# Altium PCB PCB1.PcbDoc (part 6 of 14) (continued)
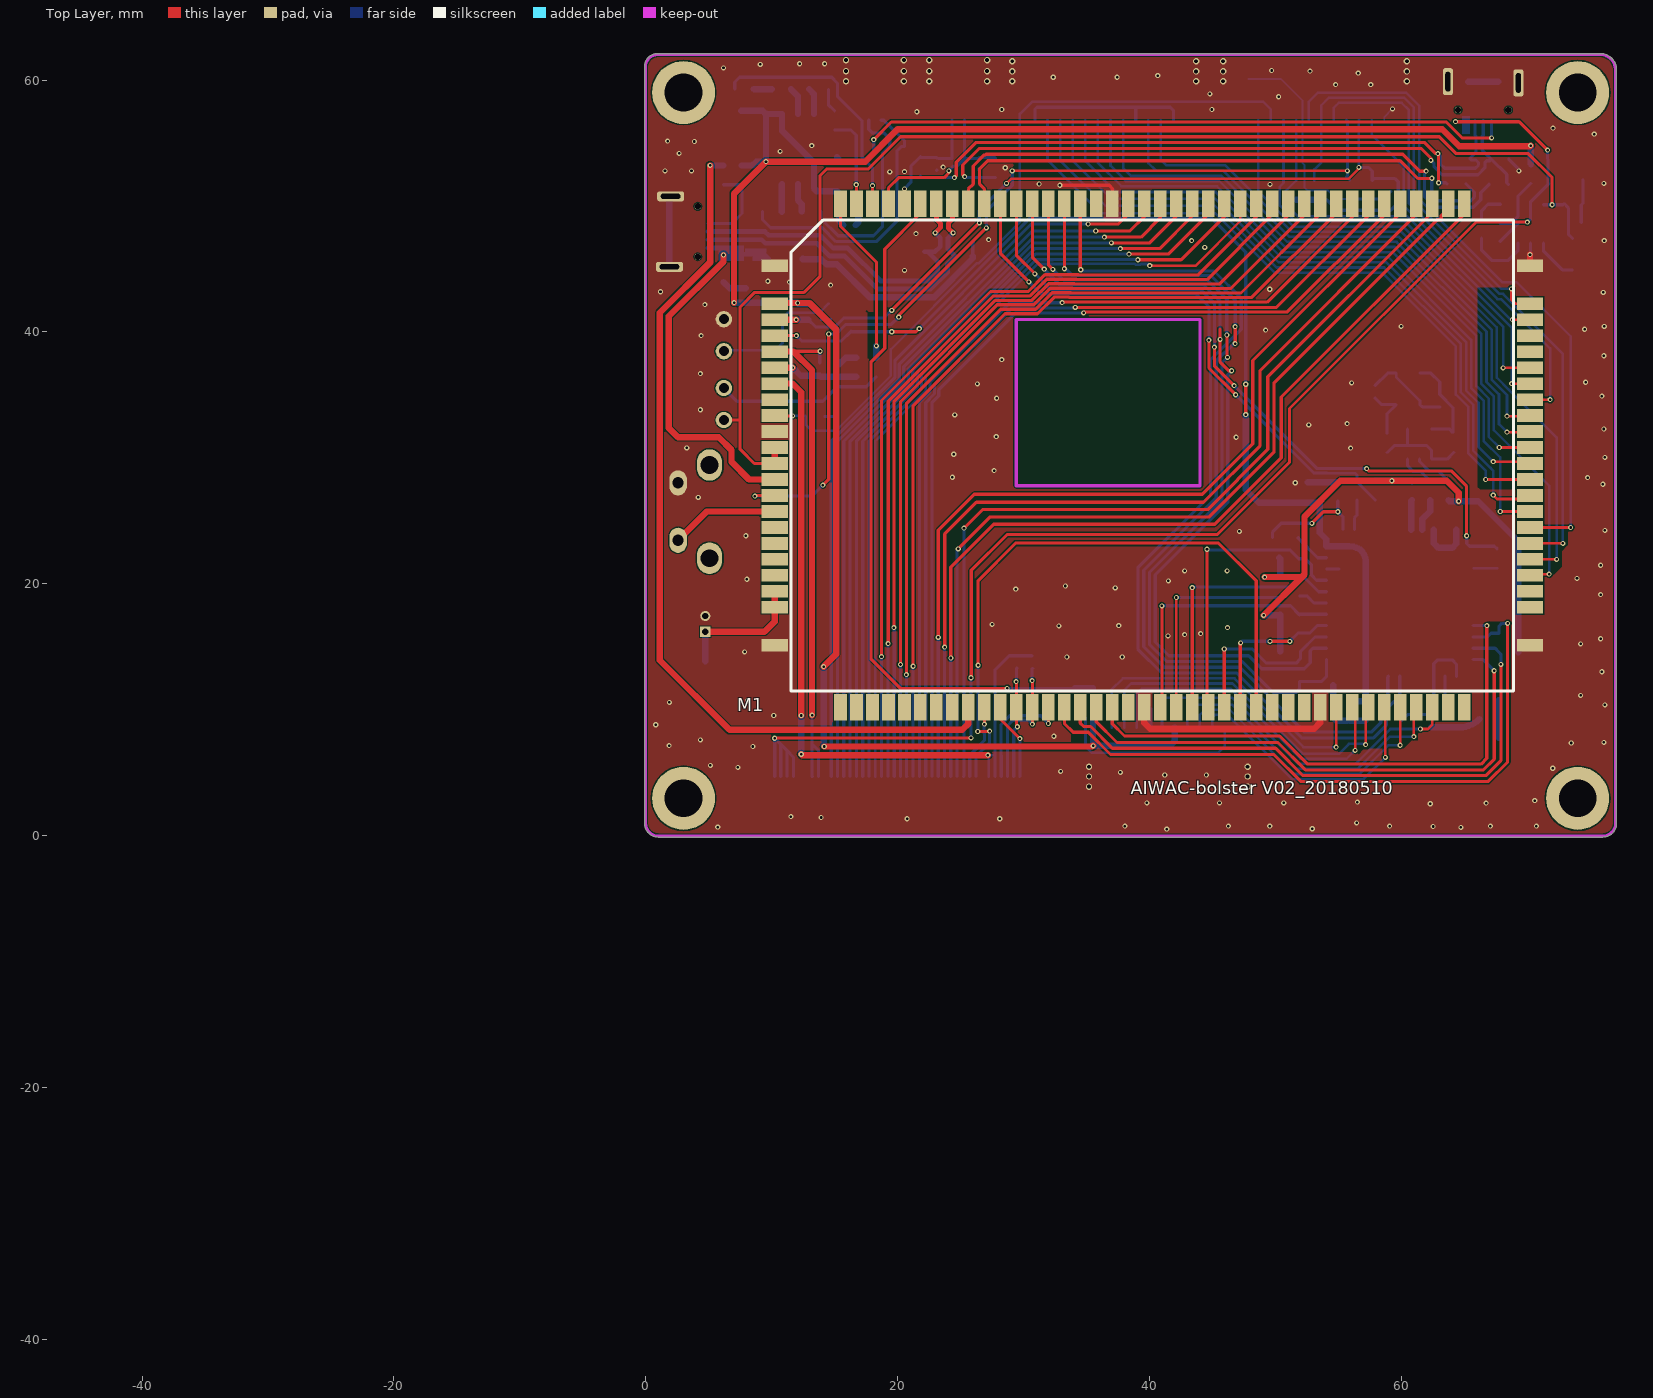
[diagram p0: Top Layer view]
## Free pads (board coordinates) (continued)
1(-45.279,-40.494) 1(-45.279,-40.494) 1(-45.279,-40.494) 1(-45.279,-40.494) 1(-45.279,-40.494) 1(-45.279,-40.494) 1(-45.279,-40.513) 1(-45.279,-40.513) 1(-45.279,-40.513) 1(-45.279,-40.513) 1(-45.279,-40.513) 1(-45.279,-40.513) 1(-45.279,-40.465) 1(-45.279,-40.465) 1(-45.279,-40.465) 1(-45.279,-40.465) 1(-45.279,-40.465) 1(-45.279,-40.465) 1(-45.279,-40.464) 1(-45.279,-40.464) 1(-45.279,-40.464) 1(-45.279,-40.483) 1(-45.279,-40.483) 1(-45.279,-40.483) 1(-45.279,-40.483) 1(-45.279,-40.483) 1(-45.279,-40.483) 1(-45.279,-40.481) 1(-45.279,-40.481) 1(-45.279,-40.481) 1(-45.279,-40.507) 1(-45.279,-40.507) 1(-45.279,-40.507) 1(-45.279,-40.507) 1(-45.279,-40.507) 1(-45.279,-40.507) 1(-45.279,-40.505) 1(-45.279,-40.505) 1(-45.279,-40.505) 1(-45.279,-40.505) 1(-45.279,-40.505) 1(-45.279,-40.505) 1(-45.279,-40.505) 1(-45.279,-40.505) 1(-45.279,-40.505) 1(-45.279,-40.505) 1(-45.279,-40.505) 1(-45.279,-40.505) 1(-45.279,-40.501) 1(-45.279,-40.501) 1(-45.279,-40.501) 1(-45.279,-40.501) 1(-45.279,-40.501) 1(-45.279,-40.501) 1(-45.279,-40.497) 1(-45.279,-40.497) 1(-45.279,-40.497) 1(-45.279,-40.496) 1(-45.279,-40.496) 1(-45.279,-40.496) 1(-45.279,-40.496) 1(-45.279,-40.496) 1(-45.279,-40.496) 1(-45.279,-40.496) 1(-45.279,-40.496) 1(-45.279,-40.496) 1(-45.279,-40.496) 1(-45.279,-40.496) 1(-45.279,-40.496) 1(-45.279,-40.482) 1(-45.279,-40.482) 1(-45.279,-40.482) 1(-45.279,-40.482) 1(-45.279,-40.482) 1(-45.279,-40.482) 1(-45.279,-40.482) 1(-45.279,-40.482) 1(-45.279,-40.482) 1(-45.279,-40.482) 1(-45.279,-40.482) 1(-45.279,-40.482) 1(-45.279,-40.499) 1(-45.279,-40.499) 1(-45.279,-40.499) 1(-45.279,-40.479) 1(-45.279,-40.479) 1(-45.279,-40.479) 1(-45.279,-40.463) 1(-45.279,-40.463) 1(-45.279,-40.463) 1(-45.279,-40.463) 1(-45.279,-40.463) 1(-45.279,-40.463) 1(-45.279,-40.495) 1(-45.279,-40.495) 1(-45.279,-40.495) 1(-45.279,-40.495) 1(-45.279,-40.495) 1(-45.279,-40.495) 1(-45.279,-40.467) 1(-45.279,-40.467) 1(-45.279,-40.467) 1(-45.279,-40.466) 1(-45.279,-40.466) 1(-45.279,-40.466) 1(-45.279,-40.515) 1(-45.279,-40.515) 1(-45.279,-40.515) 1(-45.279,-40.514) 1(-45.279,-40.514) 1(-45.279,-40.514) 1(-45.279,-40.514) 1(-45.279,-40.514) 1(-45.279,-40.514) 1(-45.279,-40.51) 1(-45.279,-40.51) 1(-45.279,-40.51) 1(-45.279,-40.51) 1(-45.279,-40.51) 1(-45.279,-40.51) 1(-45.279,-40.483) 1(-45.279,-40.483) 1(-45.279,-40.483) 1(-45.279,-40.483) 1(-45.279,-40.483) 1(-45.279,-40.483) 1(-45.279,-40.462) 1(-45.279,-40.462) 1(-45.279,-40.462) 1(-45.279,-40.491) 1(-45.279,-40.491) 1(-45.279,-40.491) 1(-45.279,-40.491) 1(-45.279,-40.491) 1(-45.279,-40.491) 1(-45.279,-40.476) 1(-45.279,-40.476) 1(-45.279,-40.476) 1(-45.279,-40.476) 1(-45.279,-40.476) 1(-45.279,-40.476) 1(-45.279,-40.49) 1(-45.279,-40.49) 1(-45.279,-40.49) 1(-45.279,-40.49) 1(-45.279,-40.49) 1(-45.279,-40.49) 1(-45.279,-40.49) 1(-45.279,-40.49) 1(-45.279,-40.49) 1(-45.279,-40.49) 1(-45.279,-40.49) 1(-45.279,-40.49) 1(-45.279,-40.489) 1(-45.279,-40.489) 1(-45.279,-40.489) 1(-45.279,-40.483) 1(-45.279,-40.483) 1(-45.279,-40.483) 1(-45.279,-40.483) 1(-45.279,-40.483) 1(-45.279,-40.483) 1(-45.279,-40.482) 1(-45.279,-40.482) 1(-45.279,-40.482) 1(-45.278,-40.468) 1(-45.278,-40.468) 1(-45.278,-40.468) 1(-45.278,-40.488) 1(-45.278,-40.488) 1(-45.278,-40.488) 1(-45.278,-40.488) 1(-45.278,-40.488) 1(-45.278,-40.488) 1(-45.278,-40.485) 1(-45.278,-40.485) 1(-45.278,-40.485) 1(-45.278,-40.465) 1(-45.278,-40.465) 1(-45.278,-40.465) 1(-45.278,-40.465) 1(-45.278,-40.465) 1(-45.278,-40.465) 1(-45.278,-40.463) 1(-45.278,-40.463) 1(-45.278,-40.463) 1(-45.278,-40.463) 1(-45.278,-40.463) 1(-45.278,-40.463) 1(-45.278,-40.506) 1(-45.278,-40.506) 1(-45.278,-40.506) 1(-45.278,-40.506) 1(-45.278,-40.506) 1(-45.278,-40.506) 1(-45.278,-40.503) 1(-45.278,-40.503) 1(-45.278,-40.503) 1(-45.278,-40.503) 1(-45.278,-40.503) 1(-45.278,-40.503) 1(-45.278,-40.499) 1(-45.278,-40.499) 1(-45.278,-40.499) 1(-45.278,-40.499) 1(-45.278,-40.499) 1(-45.278,-40.499) 1(-45.278,-40.497) 1(-45.278,-40.497) 1(-45.278,-40.497) 1(-45.278,-40.476) 1(-45.278,-40.476) 1(-45.278,-40.476) 1(-45.278,-40.476) 1(-45.278,-40.476) 1(-45.278,-40.476) 1(-45.278,-40.509) 1(-45.278,-40.509) 1(-45.278,-40.509) 1(-45.278,-40.509) 1(-45.278,-40.509) 1(-45.278,-40.509) 1(-45.278,-40.496) 1(-45.278,-40.496) 1(-45.278,-40.496) 1(-45.278,-40.501) 1(-45.278,-40.501) 1(-45.278,-40.501) 1(-45.278,-40.501) 1(-45.278,-40.501) 1(-45.278,-40.501) 1(-45.278,-40.484) 1(-45.278,-40.484) 1(-45.278,-40.484) 1(-45.278,-40.484) 1(-45.278,-40.484) 1(-45.278,-40.484) 1(-45.278,-40.51) 1(-45.278,-40.51) 1(-45.278,-40.51) 1(-45.278,-40.495) 1(-45.278,-40.495) 1(-45.278,-40.495) 1(-45.278,-40.494) 1(-45.278,-40.494) 1(-45.278,-40.494) 1(-45.278,-40.493) 1(-45.278,-40.493) 1(-45.278,-40.493) 1(-45.278,-40.493) 1(-45.278,-40.493) 1(-45.278,-40.493) 1(-45.278,-40.492) 1(-45.278,-40.492) 1(-45.278,-40.492) 1(-45.278,-40.492) 1(-45.278,-40.492) 1(-45.278,-40.492) 1(-45.278,-40.491) 1(-45.278,-40.491) 1(-45.278,-40.491) 1(-45.278,-40.491) 1(-45.278,-40.491) 1(-45.278,-40.491) 1(-45.278,-40.489) 1(-45.278,-40.489) 1(-45.278,-40.489) 1(-45.278,-40.489) 1(-45.278,-40.489) 1(-45.278,-40.489) 1(-45.278,-40.502) 1(-45.278,-40.502) 1(-45.278,-40.502) 1(-45.278,-40.502) 1(-45.278,-40.502) 1(-45.278,-40.502) 1(-45.278,-40.482) 1(-45.278,-40.482) 1(-45.278,-40.482) 1(-45.278,-40.482) 1(-45.278,-40.482) 1(-45.278,-40.482) 1(-45.278,-40.5) 1(-45.278,-40.5) 1(-45.278,-40.5) 1(-45.278,-40.5) 1(-45.278,-40.5) 1(-45.278,-40.5) 1(-45.278,-40.502) 1(-45.278,-40.502) 1(-45.278,-40.502) 1(-45.278,-40.502) 1(-45.278,-40.502) 1(-45.278,-40.502) 1(-45.278,-40.5) 1(-45.278,-40.5) 1(-45.278,-40.5) 1(-45.278,-40.5) 1(-45.278,-40.5) 1(-45.278,-40.5) 1(-45.278,-40.505) 1(-45.278,-40.505) 1(-45.278,-40.505) 1(-45.278,-40.505) 1(-45.278,-40.505) 1(-45.278,-40.505) 1(-45.278,-40.503) 1(-45.278,-40.503) 1(-45.278,-40.503) 1(-45.278,-40.503) 1(-45.278,-40.503) 1(-45.278,-40.503) 1(-45.278,-40.497) 1(-45.278,-40.497) 1(-45.278,-40.497) 1(-45.278,-40.496) 1(-45.278,-40.496) 1(-45.278,-40.496) 1(-45.278,-40.496) 1(-45.278,-40.496) 1(-45.278,-40.496) 1(-45.278,-40.483) 1(-45.278,-40.483) 1(-45.278,-40.483) 1(-45.278,-40.483) 1(-45.278,-40.483) 1(-45.278,-40.483) 1(-45.278,-40.505) 1(-45.278,-40.505) 1(-45.278,-40.505) 1(-45.278,-40.503) 1(-45.278,-40.503) 1(-45.278,-40.503) 1(-45.278,-40.503) 1(-45.278,-40.503) 1(-45.278,-40.503) 1(-45.278,-40.509) 1(-45.278,-40.509) 1(-45.278,-40.509) 1(-45.278,-40.509) 1(-45.278,-40.509) 1(-45.278,-40.509) 1(-45.278,-40.509) 1(-45.278,-40.509) 1(-45.278,-40.509) 1(-45.278,-40.509) 1(-45.278,-40.509) 1(-45.278,-40.509) 1(-45.278,-40.509) 1(-45.278,-40.509) 1(-45.278,-40.509) 1(-45.278,-40.508) 1(-45.278,-40.508) 1(-45.278,-40.508) 1(-45.278,-40.507) 1(-45.278,-40.507) 1(-45.278,-40.507) 1(-45.278,-40.507) 1(-45.278,-40.507) 1(-45.278,-40.507) 1(-45.278,-40.499) 1(-45.278,-40.499) 1(-45.278,-40.499) 1(-45.278,-40.499) 1(-45.278,-40.499) 1(-45.278,-40.499) 1(-45.278,-40.499) 1(-45.278,-40.499) 1(-45.278,-40.499) 1(-45.278,-40.48) 1(-45.278,-40.48) 1(-45.278,-40.48) 1(-45.278,-40.516) 1(-45.278,-40.516) 1(-45.278,-40.516) 1(-45.278,-40.505) 1(-45.278,-40.505) 1(-45.278,-40.505) 1(-45.278,-40.505) 1(-45.278,-40.505) 1(-45.278,-40.505) 1(-45.278,-40.485) 1(-45.278,-40.485) 1(-45.278,-40.485) 1(-45.277,-40.488) 1(-45.277,-40.488) 1(-45.277,-40.488) 1(-45.277,-40.488) 1(-45.277,-40.488) 1(-45.277,-40.488) 1(-45.277,-40.467) 1(-45.277,-40.467) 1(-45.277,-40.467) 1(-45.277,-40.467) 1(-45.277,-40.467) 1(-45.277,-40.467) 1(-45.277,-40.513) 1(-45.277,-40.513) 1(-45.277,-40.513) 1(-45.277,-40.513) 1(-45.277,-40.513) 1(-45.277,-40.513) 1(-45.277,-40.483) 1(-45.277,-40.483) 1(-45.277,-40.483) 1(-45.277,-40.483) 1(-45.277,-40.483) 1(-45.277,-40.483) 1(-45.277,-40.483) 1(-45.277,-40.483) 1(-45.277,-40.483) 1(-45.277,-40.483) 1(-45.277,-40.483) 1(-45.277,-40.483) 1(-45.277,-40.492) 1(-45.277,-40.492) 1(-45.277,-40.492) 1(-45.277,-40.506) 1(-45.277,-40.506) 1(-45.277,-40.506) 1(-45.277,-40.489) 1(-45.277,-40.489) 1(-45.277,-40.489) 1(-45.277,-40.504) 1(-45.277,-40.504) 1(-45.277,-40.504) 1(-45.277,-40.504) 1(-45.277,-40.504) 1(-45.277,-40.504) 1(-45.277,-40.496) 1(-45.277,-40.496) 1(-45.277,-40.496) 1(-45.277,-40.496) 1(-45.277,-40.496) 1(-45.277,-40.496) 1(-45.277,-40.496) 1(-45.277,-40.496) 1(-45.277,-40.496) 1(-45.277,-40.496) 1(-45.277,-40.496) 1(-45.277,-40.496) 1(-45.277,-40.496) 1(-45.277,-40.496) 1(-45.277,-40.496) 1(-45.277,-40.496) 1(-45.277,-40.496) 1(-45.277,-40.496) 1(-45.277,-40.494) 1(-45.277,-40.494) 1(-45.277,-40.494) 1(-45.277,-40.494) 1(-45.277,-40.494) 1(-45.277,-40.494) 1(-45.277,-40.472) 1(-45.277,-40.472) 1(-45.277,-40.472) 1(-45.277,-40.472) 1(-45.277,-40.472) 1(-45.277,-40.472) 1(-45.277,-40.469) 1(-45.277,-40.469) 1(-45.277,-40.469) 1(-45.277,-40.469) 1(-45.277,-40.469) 1(-45.277,-40.469) 1(-45.277,-40.468) 1(-45.277,-40.468) 1(-45.277,-40.468) 1(-45.277,-40.468) 1(-45.277,-40.468) 1(-45.277,-40.468) 1(-45.277,-40.472) 1(-45.277,-40.472) 1(-45.277,-40.472) 1(-45.277,-40.472) 1(-45.277,-40.472) 1(-45.277,-40.472) 1(-45.277,-40.469) 1(-45.277,-40.469) 1(-45.277,-40.469) 1(-45.277,-40.469) 1(-45.277,-40.469) 1(-45.277,-40.469) 1(-45.277,-40.492) 1(-45.277,-40.492) 1(-45.277,-40.492) 1(-45.277,-40.492) 1(-45.277,-40.492) 1(-45.277,-40.492) 1(-45.277,-40.493) 1(-45.277,-40.493) 1(-45.277,-40.493) 1(-45.277,-40.493) 1(-45.277,-40.493) 1(-45.277,-40.493) 1(-45.277,-40.515) 1(-45.277,-40.515) 1(-45.277,-40.515) 1(-45.277,-40.513) 1(-45.277,-40.513) 1(-45.277,-40.513) 1(-45.277,-40.513) 1(-45.277,-40.513) 1(-45.277,-40.513) 1(-45.277,-40.493) 1(-45.277,-40.493) 1(-45.277,-40.493) 1(-45.277,-40.493) 1(-45.277,-40.493) 1(-45.277,-40.493) 1(-45.277,-40.495) 1(-45.277,-40.495) 1(-45.277,-40.495) 1(-45.277,-40.502) 1(-45.277,-40.502) 1(-45.277,-40.502) 1(-45.277,-40.502) 1(-45.277,-40.502) 1(-45.277,-40.502) 1(-45.276,-40.469) 1(-45.276,-40.469) 1(-45.276,-40.469) 1(-45.276,-40.469) 1(-45.276,-40.469) 1(-45.276,-40.469) 1(-45.276,-40.466) 1(-45.276,-40.466) 1(-45.276,-40.466) 1(-45.276,-40.466) 1(-45.276,-40.466) 1(-45.276,-40.466) 1(-45.276,-40.469) 1(-45.276,-40.469) 1(-45.276,-40.469) 1(-45.276,-40.469) 1(-45.276,-40.469) 1(-45.276,-40.469) 1(-45.276,-40.469) 1(-45.276,-40.469) 1(-45.276,-40.469) 1(-45.276,-40.469) 1(-45.276,-40.469) 1(-45.276,-40.469) 1(-45.276,-40.499) 1(-45.276,-40.499) 1(-45.276,-40.499) 1(-45.276,-40.504) 1(-45.276,-40.504) 1(-45.276,-40.504) 1(-45.276,-40.504) 1(-45.276,-40.504) 1(-45.276,-40.504) 1(-45.276,-40.504) 1(-45.276,-40.504) 1(-45.276,-40.504) 1(-45.276,-40.504) 1(-45.276,-40.504) 1(-45.276,-40.504) 1(-45.276,-40.504) 1(-45.276,-40.504) 1(-45.276,-40.504) 1(-45.276,-40.504) 1(-45.276,-40.504) 1(-45.276,-40.504) 1(-45.276,-40.503) 1(-45.276,-40.503) 1(-45.276,-40.503) 1(-45.276,-40.501) 1(-45.276,-40.501) 1(-45.276,-40.501) 1(-45.276,-40.501) 1(-45.276,-40.501) 1(-45.276,-40.501) 1(-45.276,-40.499) 1(-45.276,-40.499) 1(-45.276,-40.499) 1(-45.276,-40.498) 1(-45.276,-40.498) 1(-45.276,-40.498) 1(-45.276,-40.498) 1(-45.276,-40.498) 1(-45.276,-40.498) 1(-45.276,-40.496) 1(-45.276,-40.496) 1(-45.276,-40.496) 1(-45.276,-40.496) 1(-45.276,-40.496) 1(-45.276,-40.496) 1(-45.276,-40.495) 1(-45.276,-40.495) 1(-45.276,-40.495) 1(-45.276,-40.495) 1(-45.276,-40.495) 1(-45.276,-40.495) 1(-45.276,-40.494) 1(-45.276,-40.494) 1(-45.276,-40.494) 1(-45.276,-40.494) 1(-45.276,-40.494) 1(-45.276,-40.494) 1(-45.276,-40.494) 1(-45.276,-40.494) 1(-45.276,-40.494) 1(-45.276,-40.494) 1(-45.276,-40.494) 1(-45.276,-40.494) 1(-45.276,-40.494) 1(-45.276,-40.494) 1(-45.276,-40.494) 1(-45.276,-40.493) 1(-45.276,-40.493) 1(-45.276,-40.493) 1(-45.276,-40.493) 1(-45.276,-40.493) 1(-45.276,-40.493) 1(-45.276,-40.498) 1(-45.276,-40.498) 1(-45.276,-40.498) 1(-45.276,-40.498) 1(-45.276,-40.498) 1(-45.276,-40.498) 1(-45.276,-40.508) 1(-45.276,-40.508) 1(-45.276,-40.508) 1(-45.276,-40.507) 1(-45.276,-40.507) 1(-45.276,-40.507) 1(-45.276,-40.488) 1(-45.276,-40.488) 1(-45.276,-40.488) 1(-45.276,-40.488) 1(-45.276,-40.488) 1(-45.276,-40.488) 1(-45.276,-40.475) 1(-45.276,-40.475) 1(-45.276,-40.475) 1(-45.276,-40.519) 1(-45.276,-40.519) 1(-45.276,-40.519) 1(-45.276,-40.492) 1(-45.276,-40.492) 1(-45.276,-40.492) 1(-45.276,-40.492) 1(-45.276,-40.492) 1(-45.276,-40.492) 1(-45.276,-40.489) 1(-45.276,-40.489) 1(-45.276,-40.489) 1(-45.276,-40.489) 1(-45.276,-40.489) 1(-45.276,-40.489) 1(-45.276,-40.489) 1(-45.276,-40.489) 1(-45.276,-40.489) 1(-45.276,-40.489) 1(-45.276,-40.489) 1(-45.276,-40.489) 1(-45.276,-40.481) 1(-45.276,-40.481) 1(-45.276,-40.481) 1(-45.276,-40.467) 1(-45.276,-40.467) 1(-45.276,-40.467) 1(-45.276,-40.467) 1(-45.276,-40.467) 1(-45.276,-40.467) 1(-45.276,-40.466) 1(-45.276,-40.466) 1(-45.276,-40.466) 1(-45.276,-40.508) 1(-45.276,-40.508) 1(-45.276,-40.508) 1(-45.276,-40.508) 1(-45.276,-40.508) 1(-45.276,-40.508) 1(-45.276,-40.488) 1(-45.276,-40.488) 1(-45.276,-40.488) 1(-45.276,-40.488) 1(-45.276,-40.488) 1(-45.276,-40.488) 1(-45.276,-40.511) 1(-45.276,-40.511) 1(-45.276,-40.511) 1(-45.276,-40.5) 1(-45.276,-40.5) 1(-45.276,-40.5) 1(-45.276,-40.5) 1(-45.276,-40.5) 1(-45.276,-40.5) 1(-45.276,-40.467) 1(-45.276,-40.467) 1(-45.276,-40.467) 1(-45.276,-40.467) 1(-45.276,-40.467) 1(-45.276,-40.467) 1(-45.276,-40.472) 1(-45.276,-40.472) 1(-45.276,-40.472) 1(-45.276,-40.472) 1(-45.276,-40.472) 1(-45.276,-40.472) 1(-45.276,-40.47) 1(-45.276,-40.47) 1(-45.276,-40.47) 1(-45.276,-40.47) 1(-45.276,-40.47) 1(-45.276,-40.47) 1(-45.276,-40.516) 1(-45.276,-40.516) 1(-45.276,-40.516) 1(-45.276,-40.476) 1(-45.276,-40.476) 1(-45.276,-40.476) 1(-45.276,-40.476) 1(-45.276,-40.476) 1(-45.276,-40.476) 1(-45.276,-40.469) 1(-45.276,-40.469) 1(-45.276,-40.469) 1(-45.276,-40.469) 1(-45.276,-40.469) 1(-45.276,-40.469) 1(-45.276,-40.469) 1(-45.276,-40.469) 1(-45.276,-40.469) 1(-45.276,-40.468) 1(-45.276,-40.468) 1(-45.276,-40.468) 1(-45.276,-40.468) 1(-45.276,-40.468) 1(-45.276,-40.468) 1(-45.275,-40.508) 1(-45.275,-40.508) 1(-45.275,-40.508) 1(-45.275,-40.508) 1(-45.275,-40.508) 1(-45.275,-40.508) 1(-45.275,-40.506) 1(-45.275,-40.506) 1(-45.275,-40.506) 1(-45.275,-40.506) 1(-45.275,-40.506) 1(-45.275,-40.506) 1(-45.275,-40.488) 1(-45.275,-40.488) 1(-45.275,-40.488) 1(-45.275,-40.488) 1(-45.275,-40.488) 1(-45.275,-40.488) 1(-45.275,-40.477) 1(-45.275,-40.477) 1(-45.275,-40.477) 1(-45.275,-40.487) 1(-45.275,-40.487) 1(-45.275,-40.487) 1(-45.275,-40.484) 1(-45.275,-40.484) 1(-45.275,-40.484) 1(-45.275,-40.476) 1(-45.275,-40.476) 1(-45.275,-40.476) 1(-45.275,-40.476) 1(-45.275,-40.476) 1(-45.275,-40.476) 1(-45.275,-40.506) 1(-45.275,-40.506) 1(-45.275,-40.506) 1(-45.275,-40.506) 1(-45.275,-40.506) 1(-45.275,-40.506) 1(-45.275,-40.488) 1(-45.275,-40.488) 1(-45.275,-40.488) 1(-45.275,-40.488) 1(-45.275,-40.488) 1(-45.275,-40.488) 1(-45.275,-40.491) 1(-45.275,-40.491) 1(-45.275,-40.491) 1(-45.275,-40.49) 1(-45.275,-40.49) 1(-45.275,-40.49) 1(-45.275,-40.49) 1(-45.275,-40.49) 1(-45.275,-40.49) 1(-45.275,-40.509) 1(-45.275,-40.509) 1(-45.275,-40.509) 1(-45.275,-40.509) 1(-45.275,-40.509) 1(-45.275,-40.509) 1(-45.275,-40.504) 1(-45.275,-40.504) 1(-45.275,-40.504) 1(-45.275,-40.466) 1(-45.275,-40.466) 1(-45.275,-40.466) 1(-45.275,-40.504) 1(-45.275,-40.504) 1(-45.275,-40.504) 1(-45.275,-40.503) 1(-45.275,-40.503) 1(-45.275,-40.503) 1(-45.275,-40.501) 1(-45.275,-40.501) 1(-45.275,-40.501) 1(-45.275,-40.5) 1(-45.275,-40.5) 1(-45.275,-40.5) 1(-45.275,-40.5) 1(-45.275,-40.5) 1(-45.275,-40.5) 1(-45.275,-40.5) 1(-45.275,-40.5) 1(-45.275,-40.5) 1(-45.275,-40.5) 1(-45.275,-40.5) 1(-45.275,-40.5) 1(-45.275,-40.499) 1(-45.275,-40.499) 1(-45.275,-40.499) 1(-45.275,-40.499) 1(-45.275,-40.499) 1(-45.275,-40.499) 1(-45.275,-40.498) 1(-45.275,-40.498) 1(-45.275,-40.498) 1(-45.275,-40.498) 1(-45.275,-40.498) 1(-45.275,-40.498) 1(-45.275,-40.496) 1(-45.275,-40.496) 1(-45.275,-40.496) 1(-45.275,-40.495) 1(-45.275,-40.495) 1(-45.275,-40.495) 1(-45.275,-40.494) 1(-45.275,-40.494) 1(-45.275,-40.494) 1(-45.275,-40.498) 1(-45.275,-40.498) 1(-45.275,-40.498) 1(-45.275,-40.475) 1(-45.275,-40.475) 1(-45.275,-40.475) 1(-45.275,-40.475) 1(-45.275,-40.475) 1(-45.275,-40.475) 1(-45.275,-40.469) 1(-45.275,-40.469) 1(-45.275,-40.469) 1(-45.275,-40.469) 1(-45.275,-40.469) 1(-45.275,-40.469) 1(-45.275,-40.505) 1(-45.275,-40.505) 1(-45.275,-40.505) 1(-45.275,-40.505) 1(-45.275,-40.505) 1(-45.275,-40.505) 1(-45.275,-40.505) 1(-45.275,-40.505) 1(-45.275,-40.505) 1(-45.275,-40.509) 1(-45.275,-40.509) 1(-45.275,-40.509) 1(-45.275,-40.509) 1(-45.275,-40.509) 1(-45.275,-40.509) 1(-45.275,-40.508) 1(-45.275,-40.508) 1(-45.275,-40.508) 1(-45.275,-40.508) 1(-45.275,-40.508) 1(-45.275,-40.508) 1(-45.275,-40.507) 1(-45.275,-40.507) 1(-45.275,-40.507) 1(-45.275,-40.467) 1(-45.275,-40.467) 1(-45.275,-40.467) 1(-45.275,-40.467) 1(-45.275,-40.467) 1(-45.275,-40.467) 1(-45.275,-40.466) 1(-45.275,-40.466) 1(-45.275,-40.466) 1(-45.275,-40.466) 1(-45.275,-40.466) 1(-45.275,-40.466) 1(-45.275,-40.507) 1(-45.275,-40.507) 1(-45.275,-40.507) 1(-45.275,-40.507) 1(-45.275,-40.507) 1(-45.275,-40.507) 1(-45.275,-40.505) 1(-45.275,-40.505) 1(-45.275,-40.505) 1(-45.275,-40.505) 1(-45.275,-40.505) 1(-45.275,-40.505) 1(-45.275,-40.484) 1(-45.275,-40.484) 1(-45.275,-40.484) 1(-45.275,-40.478) 1(-45.275,-40.478) 1(-45.275,-40.478) 1(-45.274,-40.516) 1(-45.274,-40.516) 1(-45.274,-40.516) 1(-45.274,-40.511) 1(-45.274,-40.511) 1(-45.274,-40.511) 1(-45.274,-40.504) 1(-45.274,-40.504) 1(-45.274,-40.504) 1(-45.274,-40.504) 1(-45.274,-40.504) 1(-45.274,-40.504) 1(-45.274,-40.504) 1(-45.274,-40.504) 1(-45.274,-40.504) 1(-45.274,-40.504) 1(-45.274,-40.504) 1(-45.274,-40.504) 1(-45.274,-40.47) 1(-45.274,-40.47) 1(-45.274,-40.47) 1(-45.274,-40.468) 1(-45.274,-40.468) 1(-45.274,-40.468) 1(-45.274,-40.468) 1(-45.274,-40.468) 1(-45.274,-40.468) 1(-45.274,-40.468) 1(-45.274,-40.468) 1(-45.274,-40.468) 1(-45.274,-40.468) 1(-45.274,-40.468) 1(-45.274,-40.468) 1(-45.274,-40.508) 1(-45.274,-40.508) 1(-45.274,-40.508) 1(-45.274,-40.508) 1(-45.274,-40.508) 1(-45.274,-40.508) 1(-45.274,-40.487) 1(-45.274,-40.487) 1(-45.274,-40.487) 1(-45.274,-40.487) 1(-45.274,-40.487) 1(-45.274,-40.487) 1(-45.274,-40.486) 1(-45.274,-40.486) 1(-45.274,-40.486) 1(-45.274,-40.486) 1(-45.274,-40.486) 1(-45.274,-40.486) 1(-45.274,-40.496) 1(-45.274,-40.496) 1(-45.274,-40.496) 1(-45.274,-40.496) 1(-45.274,-40.496) 1(-45.274,-40.496) 1(-45.274,-40.489) 1(-45.274,-40.489) 1(-45.274,-40.489) 1(-45.274,-40.489) 1(-45.274,-40.489) 1(-45.274,-40.489) 1(-45.274,-40.485) 1(-45.274,-40.485) 1(-45.274,-40.485) 1(-45.274,-40.51) 1(-45.274,-40.51) 1(-45.274,-40.51) 1(-45.274,-40.466) 1(-45.274,-40.466) 1(-45.274,-40.466) 1(-45.274,-40.502) 1(-45.274,-40.502) 1(-45.274,-40.502) 1(-45.274,-40.502) 1(-45.274,-40.502) 1(-45.274,-40.502) 1(-45.274,-40.489) 1(-45.274,-40.489) 1(-45.274,-40.489) 1(-45.274,-40.489) 1(-45.274,-40.489) 1(-45.274,-40.489) 1(-45.274,-40.488) 1(-45.274,-40.488) 1(-45.274,-40.488) 1(-45.274,-40.496) 1(-45.274,-40.496) 1(-45.274,-40.496) 1(-45.274,-40.508) 1(-45.274,-40.508) 1(-45.274,-40.508) 1(-45.274,-40.508) 1(-45.274,-40.508) 1(-45.274,-40.508) 1(-45.274,-40.487) 1(-45.274,-40.487) 1(-45.274,-40.487) 1(-45.274,-40.487) 1(-45.274,-40.487) 1(-45.274,-40.487) 1(-45.274,-40.486) 1(-45.274,-40.486) 1(-45.274,-40.486) 1(-45.274,-40.486) 1(-45.274,-40.486) 1(-45.274,-40.486) 1(-45.274,-40.505) 1(-45.274,-40.505) 1(-45.274,-40.505) 1(-45.274,-40.505) 1(-45.274,-40.505) 1(-45.274,-40.505) 1(-45.274,-40.474) 1(-45.274,-40.474) 1(-45.274,-40.474) 1(-45.274,-40.474) 1(-45.274,-40.474) 1(-45.274,-40.474) 1(-45.274,-40.469) 1(-45.274,-40.469) 1(-45.274,-40.469) 1(-45.274,-40.469) 1(-45.274,-40.469) 1(-45.274,-40.469) 1(-45.274,-40.507) 1(-45.274,-40.507) 1(-45.274,-40.507) 1(-45.274,-40.505) 1(-45.274,-40.505) 1(-45.274,-40.505) 1(-45.274,-40.505) 1(-45.274,-40.505) 1(-45.274,-40.505) 1(-45.274,-40.504) 1(-45.274,-40.504) 1(-45.274,-40.504) 1(-45.274,-40.503) 1(-45.274,-40.503) 1(-45.274,-40.503) 1(-45.274,-40.492) 1(-45.274,-40.492) 1(-45.274,-40.492) 1(-45.274,-40.492) 1(-45.274,-40.492) 1(-45.274,-40.492) 1(-45.273,-40.505) 1(-45.273,-40.505) 1(-45.273,-40.505) 1(-45.273,-40.488) 1(-45.273,-40.488) 1(-45.273,-40.488) 1(-45.273,-40.488) 1(-45.273,-40.488) 1(-45.273,-40.488) 1(-45.273,-40.487) 1(-45.273,-40.487) 1(-45.273,-40.487) 1(-45.273,-40.487) 1(-45.273,-40.487) 1(-45.273,-40.487) 1(-45.273,-40.469) 1(-45.273,-40.469) 1(-45.273,-40.469) 1(-45.273,-40.469) 1(-45.273,-40.469) 1(-45.273,-40.469) 1(-45.273,-40.509) 1(-45.273,-40.509) 1(-45.273,-40.509) 1(-45.273,-40.485) 1(-45.273,-40.485) 1(-45.273,-40.485) 1(-45.273,-40.47) 1(-45.273,-40.47) 1(-45.273,-40.47) 1(-45.273,-40.472) 1(-45.273,-40.472) 1(-45.273,-40.472) 1(-45.273,-40.472) 1(-45.273,-40.472) 1(-45.273,-40.472) 1(-45.273,-40.469) 1(-45.273,-40.469) 1(-45.273,-40.469) 1(-45.273,-40.469) 1(-45.273,-40.469) 1(-45.273,-40.469) 1(-45.273,-40.468) 1(-45.273,-40.468) 1(-45.273,-40.468) 1(-45.273,-40.468) 1(-45.273,-40.468) 1(-45.273,-40.468) 1(-45.273,-40.485) 1(-45.273,-40.485) 1(-45.273,-40.485) 1(-45.273,-40.485) 1(-45.273,-40.485) 1(-45.273,-40.485) 1(-45.273,-40.479) 1(-45.273,-40.479) 1(-45.273,-40.479) 1(-45.273,-40.485) 1(-45.273,-40.485) 1(-45.273,-40.485) 1(-45.273,-40.485) 1(-45.273,-40.485) 1(-45.273,-40.485) 1(-45.273,-40.476) 1(-45.273,-40.476) 1(-45.273,-40.476) 1(-45.273,-40.475) 1(-45.273,-40.475) 1(-45.273,-40.475) 1(-45.273,-40.502) 1(-45.273,-40.502) 1(-45.273,-40.502) 1(-45.273,-40.502) 1(-45.273,-40.502) 1(-45.273,-40.502) 1(-45.273,-40.495) 1(-45.273,-40.495) 1(-45.273,-40.495) 1(-45.273,-40.495) 1(-45.273,-40.495) 1(-45.273,-40.495) 1(-45.273,-40.511) 1(-45.273,-40.511) 1(-45.273,-40.511) 1(-45.273,-40.493) 1(-45.273,-40.493) 1(-45.273,-40.493) 1(-45.273,-40.466) 1(-45.273,-40.466) 1(-45.273,-40.466) 1(-45.273,-40.508) 1(-45.273,-40.508) 1(-45.273,-40.508) 1(-45.273,-40.491) 1(-45.273,-40.491) 1(-45.273,-40.491) 1(-45.273,-40.491) 1(-45.273,-40.491) 1(-45.273,-40.491) 1(-45.273,-40.487) 1(-45.273,-40.487) 1(-45.273,-40.487) 1(-45.273,-40.487) 1(-45.273,-40.487) 1(-45.273,-40.487) 1(-45.273,-40.494) 1(-45.273,-40.494) 1(-45.273,-40.494) 1(-45.273,-40.506) 1(-45.273,-40.506) 1(-45.273,-40.506) 1(-45.273,-40.506) 1(-45.273,-40.506) 1(-45.273,-40.506) 1(-45.273,-40.502) 1(-45.273,-40.502) 1(-45.273,-40.502) 1(-45.273,-40.502) 1(-45.273,-40.502) 1(-45.273,-40.502) 1(-45.273,-40.481) 1(-45.273,-40.481) 1(-45.273,-40.481) 1(-45.273,-40.471) 1(-45.273,-40.471) 1(-45.273,-40.471) 1(-45.273,-40.471) 1(-45.273,-40.471) 1(-45.273,-40.471) 1(-45.273,-40.47) 1(-45.273,-40.47) 1(-45.273,-40.47) 1(-45.273,-40.47) 1(-45.273,-40.47) 1(-45.273,-40.47) 1(-45.272,-40.484) 1(-45.272,-40.484) 1(-45.272,-40.484) 1(-45.272,-40.499) 1(-45.272,-40.499) 1(-45.272,-40.499) 1(-45.272,-40.498) 1(-45.272,-40.498) 1(-45.272,-40.498) 1(-45.272,-40.498) 1(-45.272,-40.498) 1(-45.272,-40.498) 1(-45.272,-40.495) 1(-45.272,-40.495) 1(-45.272,-40.495) 1(-45.272,-40.495) 1(-45.272,-40.495) 1(-45.272,-40.495) 1(-45.272,-40.501) 1(-45.272,-40.501) 1(-45.272,-40.501) 1(-45.272,-40.511) 1(-45.272,-40.511) 1(-45.272,-40.511) 1(-45.272,-40.511) 1(-45.272,-40.511) 1(-45.272,-40.511) 1(-45.272,-40.505) 1(-45.272,-40.505) 1(-45.272,-40.505) 1(-45.272,-40.505) 1(-45.272,-40.505) 1(-45.272,-40.505) 1(-45.272,-40.493) 1(-45.272,-40.493) 1(-45.272,-40.493) 1(-45.272,-40.483) 1(-45.272,-40.483) 1(-45.272,-40.483) 1(-45.272,-40.483) 1(-45.272,-40.483) 1(-45.272,-40.483) 1(-45.272,-40.469) 1(-45.272,-40.469) 1(-45.272,-40.469) 1(-45.272,-40.469) 1(-45.272,-40.469) 1(-45.272,-40.469) 1(-45.272,-40.469) 1(-45.272,-40.469) 1(-45.272,-40.469) 1(-45.272,-40.5) 1(-45.272,-40.5) 1(-45.272,-40.5) 1(-45.272,-40.5) 1(-45.272,-40.5) 1(-45.272,-40.5) 1(-45.272,-40.497) 1(-45.272,-40.497) 1(-45.272,-40.497) 1(-45.272,-40.497) 1(-45.272,-40.497) 1(-45.272,-40.497) 1(-45.272,-40.466) 1(-45.272,-40.466) 1(-45.272,-40.466) 1(-45.272,-40.497) 1(-45.272,-40.497) 1(-45.272,-40.497) 1(-45.272,-40.497) 1(-45.272,-40.497) 1(-45.272,-40.497) 1(-45.272,-40.49) 1(-45.272,-40.49) 1(-45.272,-40.49) 1(-45.272,-40.49) 1(-45.272,-40.49) 1(-45.272,-40.49) 1(-45.272,-40.471) 1(-45.272,-40.471) 1(-45.272,-40.471) 1(-45.272,-40.471) 1(-45.272,-40.471) 1(-45.272,-40.471) 1(-45.272,-40.471) 1(-45.272,-40.471) 1(-45.272,-40.471) 1(-45.272,-40.469) 1(-45.272,-40.469) 1(-45.272,-40.469) 1(-45.272,-40.49) 1(-45.272,-40.49) 1(-45.272,-40.49) 1(-45.272,-40.49) 1(-45.272,-40.49) 1(-45.272,-40.49) 1(-45.272,-40.489) 1(-45.272,-40.489) 1(-45.272,-40.489) 1(-45.272,-40.499) 1(-45.272,-40.499) 1(-45.272,-40.499) 1(-45.272,-40.499) 1(-45.272,-40.499) 1(-45.272,-40.499) 1(-45.272,-40.5) 1(-45.272,-40.5) 1(-45.272,-40.5) 1(-45.272,-40.5) 1(-45.272,-40.5) 1(-45.272,-40.5) 1(-45.272,-40.505) 1(-45.272,-40.505) 1(-45.272,-40.505) 1(-45.272,-40.505) 1(-45.272,-40.505) 1(-45.272,-40.505) 1(-45.272,-40.488) 1(-45.272,-40.488) 1(-45.272,-40.488) 1(-45.272,-40.495) 1(-45.272,-40.495) 1(-45.272,-40.495) 1(-45.272,-40.487) 1(-45.272,-40.487) 1(-45.272,-40.487) 1(-45.272,-40.508) 1(-45.272,-40.508) 1(-45.272,-40.508) 1(-45.272,-40.508) 1(-45.272,-40.508) 1(-45.272,-40.508) 1(-45.271,-40.482) 1(-45.271,-40.482) 1(-45.271,-40.482) 1(-45.271,-40.482) 1(-45.271,-40.482) 1(-45.271,-40.482) 1(-45.271,-40.503) 1(-45.271,-40.503) 1(-45.271,-40.503) 1(-45.271,-40.483) 1(-45.271,-40.483) 1(-45.271,-40.483) 1(-45.271,-40.483) 1(-45.271,-40.483) 1(-45.271,-40.483) 1(-45.271,-40.508) 1(-45.271,-40.508) 1(-45.271,-40.508) 1(-45.271,-40.508) 1(-45.271,-40.508) 1(-45.271,-40.508) 1(-45.271,-40.507) 1(-45.271,-40.507) 1(-45.271,-40.507) 1(-45.271,-40.5) 1(-45.271,-40.5) 1(-45.271,-40.5) 1(-45.271,-40.499) 1(-45.271,-40.499) 1(-45.271,-40.499) 1(-45.271,-40.497) 1(-45.271,-40.497) 1(-45.271,-40.497) 1(-45.271,-40.496) 1(-45.271,-40.496) 1(-45.271,-40.496) 1(-45.271,-40.496) 1(-45.271,-40.496) 1(-45.271,-40.496) 1(-45.271,-40.495) 1(-45.271,-40.495) 1(-45.271,-40.495) 1(-45.271,-40.495) 1(-45.271,-40.495) 1(-45.271,-40.495) 1(-45.271,-40.496) 1(-45.271,-40.496) 1(-45.271,-40.496) 1(-45.271,-40.493) 1(-45.271,-40.493) 1(-45.271,-40.493) 1(-45.271,-40.493) 1(-45.271,-40.493) 1(-45.271,-40.493) 1(-45.271,-40.491) 1(-45.271,-40.491) 1(-45.271,-40.491) 1(-45.271,-40.491) 1(-45.271,-40.491) 1(-45.271,-40.491) 1(-45.271,-40.485) 1(-45.271,-40.485) 1(-45.271,-40.485) 1(-45.271,-40.485) 1(-45.271,-40.485) 1(-45.271,-40.485) 1(-45.271,-40.475) 1(-45.271,-40.475) 1(-45.271,-40.475) 1(-45.271,-40.47) 1(-45.271,-40.47) 1(-45.271,-40.47) 1(-45.271,-40.469) 1(-45.271,-40.469) 1(-45.271,-40.469) 1(-45.271,-40.469) 1(-45.271,-40.469) 1(-45.271,-40.469) 1(-45.271,-40.468) 1(-45.271,-40.468) 1(-45.271,-40.468) 1(-45.271,-40.47) 1(-45.271,-40.47) 1(-45.271,-40.47) 1(-45.27,-40.509) 1(-45.27,-40.509) 1(-45.27,-40.509) 1(-45.27,-40.469) 1(-45.27,-40.469) 1(-45.27,-40.469) 1(-45.27,-40.469) 1(-45.27,-40.469) 1(-45.27,-40.469) 1(-45.27,-40.506) 1(-45.27,-40.506) 1(-45.27,-40.506) 1(-45.27,-40.47) 1(-45.27,-40.47) 1(-45.27,-40.47) 1(-45.27,-40.489) 1(-45.27,-40.489) 1(-45.27,-40.489) 1(-45.27,-40.486) 1(-45.27,-40.486) 1(-45.27,-40.486) 1(-45.27,-40.511) 1(-45.27,-40.511) 1(-45.27,-40.511) 1(-45.27,-40.465) 1(-45.27,-40.465) 1(-45.27,-40.465) 1(-45.27,-40.519) 1(-45.27,-40.519) 1(-45.27,-40.519) 1(-45.27,-40.495) 1(-45.27,-40.495) 1(-45.27,-40.495) 1(-45.27,-40.515) 1(-45.27,-40.515) 1(-45.27,-40.515) 1(-45.27,-40.513) 1(-45.27,-40.513) 1(-45.27,-40.513) 1(-45.27,-40.513) 1(-45.27,-40.513) 1(-45.27,-40.513) 1(-45.27,-40.507) 1(-45.27,-40.507) 1(-45.27,-40.507) 1(-45.27,-40.507) 1(-45.27,-40.507) 1(-45.27,-40.507) 1(-45.27,-40.505) 1(-45.27,-40.505) 1(-45.27,-40.505) 1(-45.27,-40.505) 1(-45.27,-40.505) 1(-45.27,-40.505) 1(-45.27,-40.502) 1(-45.27,-40.502) 1(-45.27,-40.502) 1(-45.27,-40.5) 1(-45.27,-40.5) 1(-45.27,-40.5) 1(-45.27,-40.5) 1(-45.27,-40.5) 1(-45.27,-40.5) 1(-45.27,-40.499) 1(-45.27,-40.499) 1(-45.27,-40.499) 1(-45.27,-40.497) 1(-45.27,-40.497) 1(-45.27,-40.497) 1(-45.27,-40.497) 1(-45.27,-40.497) 1(-45.27,-40.497) 1(-45.27,-40.496) 1(-45.27,-40.496) 1(-45.27,-40.496) 1(-45.27,-40.496) 1(-45.27,-40.496) 1(-45.27,-40.496) 1(-45.27,-40.496)